# Altium PCB ESP32_board_PCB.PcbDoc (part 2 of 2)
Units mm, origin at the board's own origin, x right, y up, seen from the top; angles counter-clockwise.
Board outline 82 x 84 mm, 4 copper layers (Top Layer, Layer 1, Layer 2, Bottom Layer), stack 1.586 mm thick; 126 components, 96 nets, 418 pads, 291 vias.
Unrouted connection lines stored in the file: 1.
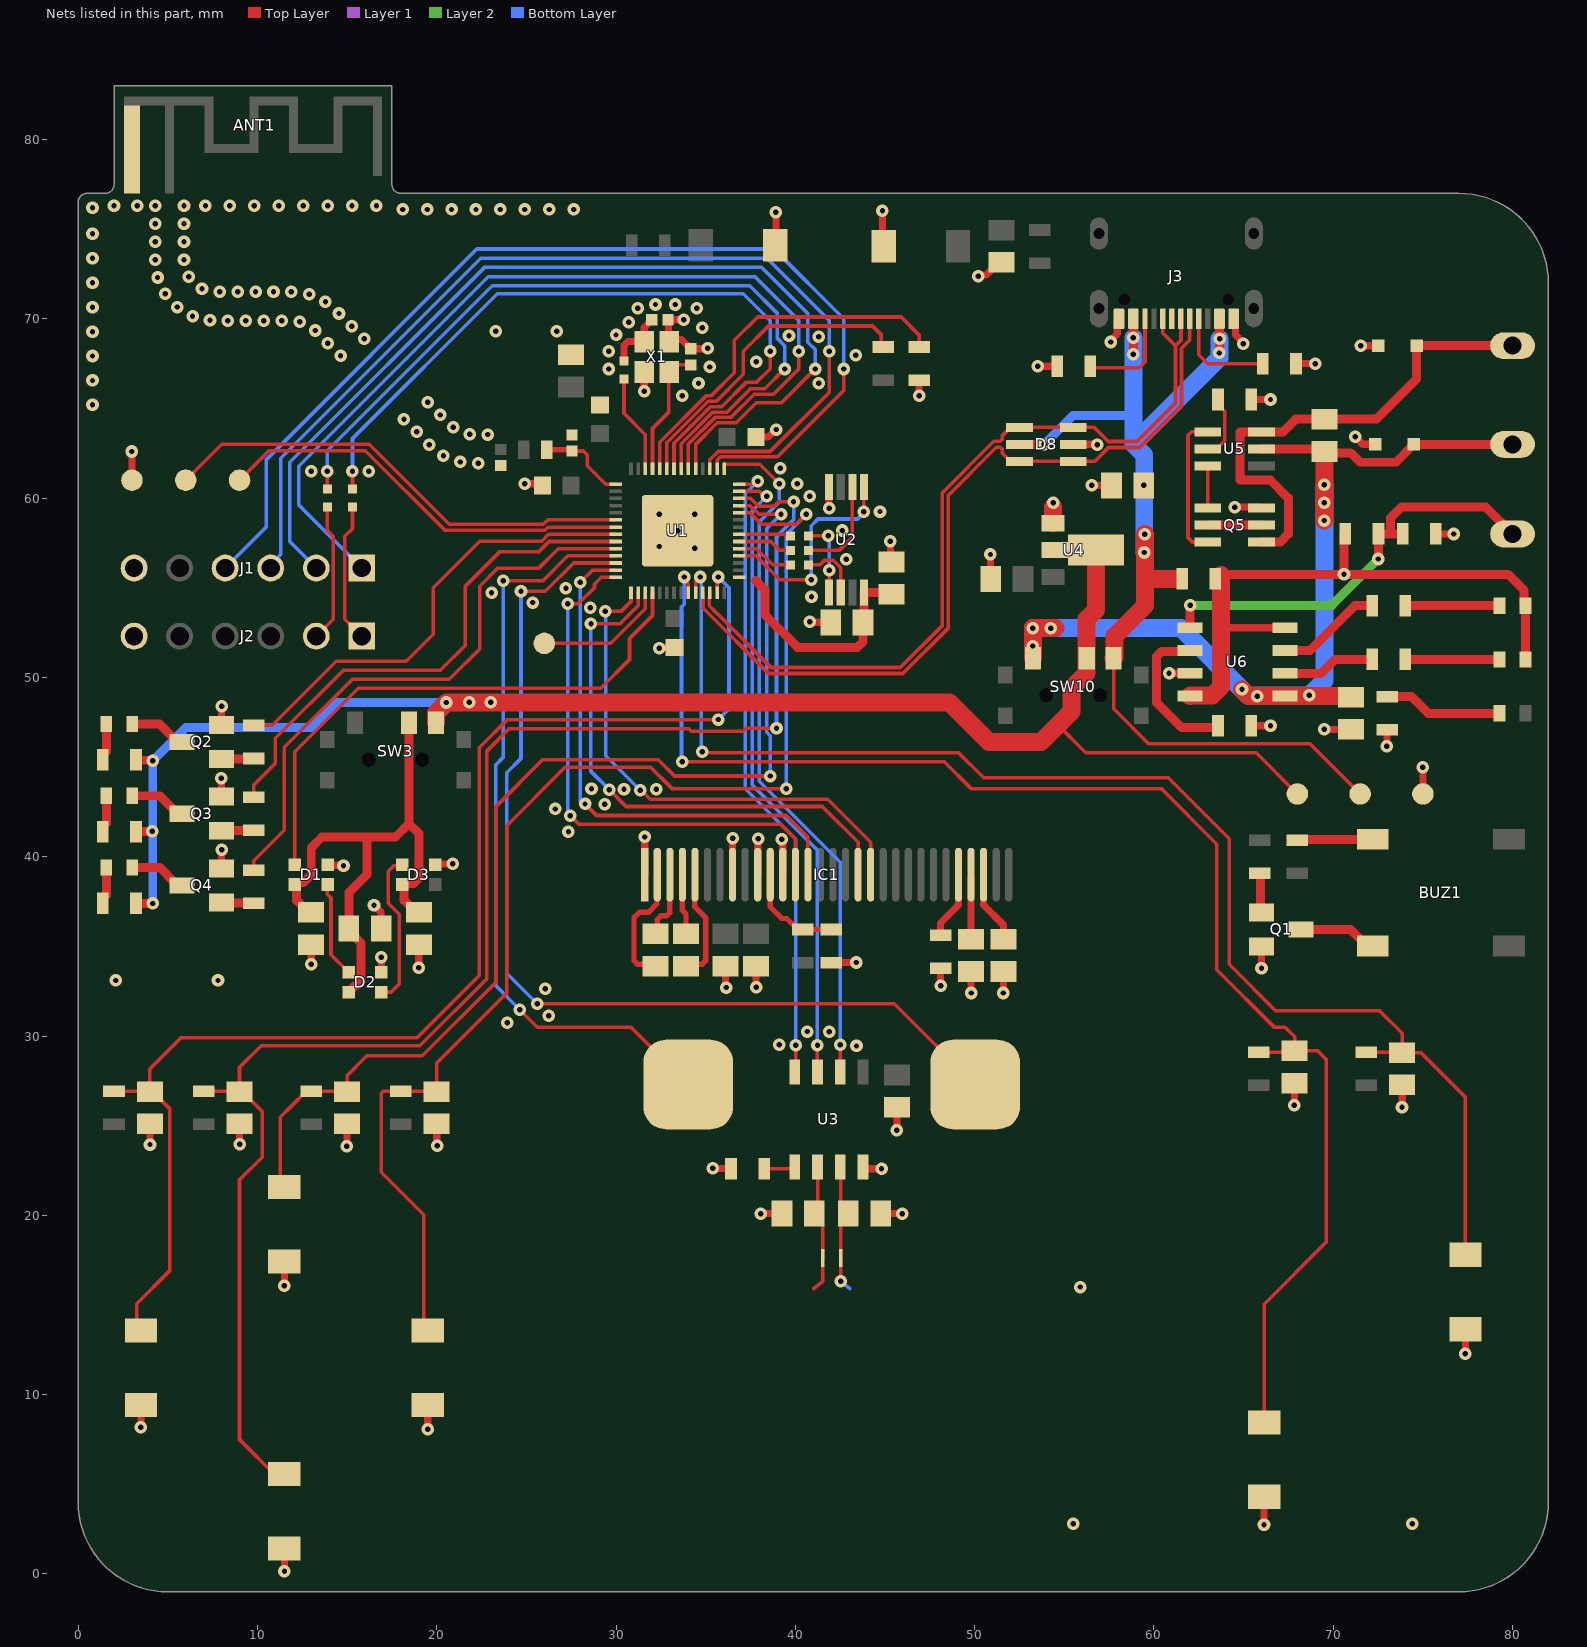
[diagram p4: the nets of this part, all layers, seen from the top]

## Via types
v1: diameter 0.7, hole 0.3, Top Layer to Bottom Layer, tented both sides, 262 vias
v2: diameter 0.7, hole 0.3, Top Layer to Bottom Layer, 29 vias

## Nets (pads, with @x,y where several pads share a name; then routed paths per layer and width w, separated by ;. In a path a pad name is that pad's centre, name@x,y a point inside that pad or via, vN(x,y) a via of type N, cw(c..) or ccw(c..) an arc to the next point about the centre after c; other vN are vias at no path point) (continued)
GND: ANT1.2 C1.1 C2.1 C3.1 C4.1 C5.1 C6.1 C7.2 C8.1 C9.1 C10.1 C11.1 C12.1 C13.1 C14.2 C15.2 C16.2 C17.1 C18.1 C19.2 C20.2 C21.2 C22.2 C23.1 C24.1 C27.1 C28.1 C29.1 C30.1 C31.1 C32.1 C33.1 D1.2 D2.2 D3.2 D8.2 D11.2 D12.2 IC1.1 IC1.8 IC1.10 IC1.12 J1.6 J2.6 J3.A1B12 J3.B1A12 Q1.2 Q2.2 Q3.2 Q4.2 Q5.3 R10.2 R16.1 R27.2 R28.1 R29.1 R30.2 R31.2 R36.1 R37.1 R38.1 SW1.1 SW2.1 SW4.1 SW5.1 SW6.1 SW7.1 SW8.1 SW9.1 TP4.1 TP5.1 U1.57 U2.4 U3.4 U4.1 U6.3 X1.2 X1.4 | length 90.7
  Top Layer w0.4: TP5.1@3,61 v1(3,62.6) ; v1(3.495,8.176) 3.5,8.182 SW8.1@3.5,9.425 ; C21.2@4,25.1 4,23.814 4.007,23.807 v1(4.007,23.947) ; v1(7.982,44.374) 8,44.355 Q3.2@8,43.35 ; Q4.2@8,39.35 8,40.376 v1(8.013,40.388) ; Q2.2@8,47.35 8,48.378 v1(8.019,48.397) ; C20.2@9,25.1 9,24.019 9.013,24.006 v1(9.013,23.954) ; SW7.1@11.5,1.425 11.5,0.148 v1(11.507,0.141) ; v1(11.501,16.073) SW5.1@11.5,17.425 ; v1(13,34) C11.1@13,35.1 ; D1.2@13.915,39.55 13.94,39.525 14.775,39.525 v1(14.8,39.5) ; v1(14.975,23.846) 15,23.87 C15.2@15,25.1 ; v1(16.5,37.3) 16.9,36.9 C12.1@16.9,36 ; v1(16.9,34.4) 16.915,34.385 D2.2@16.915,33.55 ; v1(19,33.8) C13.1@19,35.1 ; SW9.1@19.5,9.425 19.5,8.077 v1(19.504,8.074) ; D3.2@19.915,39.55 19.965,39.6 v1(20.9,39.6) ; C22.2@20,25.1 20,23.904 v1(20.018,23.886) ; v1(24.9,60.8) 25.8,60.8 C2.1@25.9,60.7 ; C10.1@27.54,63.542 C10.1@27.552,63.529 ; C4.1@29.098,65.202 C4.1@29.1,65.2 ; v1(31.569,65.956) X1.4@31.569,67.034 ; IC1.1@31.6,39 31.6,41.098 v1(31.605,41.103) ; v1(32.409,51.628) 32.456,51.675 C3.1@33.25,51.675 ; v1(33.769,69.949) C8.1@32.894,69.949 32.931,69.911 32.931,68.771 X1.2@32.969,68.734 33.084,68.849 33.654,68.849 C7.2@34.169,68.334 v1@35.096,68.334 ; v1(35.39,22.62) 36.39,22.62 R16.1@36.415,22.595 ; C27.1@36.1,33.9 36.1,32.748 v2(36.144,32.703) ; IC1.8@36.5,39 36.5,41.028 v1(36.501,41.029) ; C28.1@37.8,33.9 37.8,32.728 v2(37.816,32.712) ; C5.1@37.8,63.4 38.475,63.4 38.9,63.825 v1(38.925,63.825) ; IC1.10@37.9,39 37.9,40.968 v1(37.933,41.001) ; v1(38.073,20.097) 38.076,20.093 C19.2@39.258,20.093 ; SW1.1@38.875,74.1 38.912,74.8 v1(38.912,75.933) ; v1(39.25,40.972) 39.3,40.922 IC1.12@39.3,39 ; v1(40.8,53.1) 40.825,53.075 C17.1@41.975,53.075 ; v1@41.884,59.582 U2.4@41.884,60.632 ; R27.2@42.049,34.22 42.174,34.094 43.394,34.094 v1(43.4,34.1) ; U3.4@43.799,22.594 43.8,22.593 v1(44.808,22.593) ; C23.1@44.758,20.093 v1(45.958,20.093) ; v1(44.859,76.029) 44.859,74.75 SW2.1@44.925,74.05 ; v1(45.3,57.6) 45.3,56.498 C18.1@45.362,56.436 ; v1(45.654,24.745) 45.671,24.763 C24.1@45.671,26.024 ; v1(46.9,65.7) R10.2@46.9,66.575 ; v1(48.1,32.8) R28.1@48.1,33.775 ; v1(49.8,32.4) 49.8,33.4 49.9,33.5 C29.1@49.8,33.6 ; v1(50.198,72.378) 50.255,72.435 50.635,72.435 51.35,73.15 C6.1@51.5,73.15 ; v1(50.881,56.858) 50.881,55.519 C32.1@50.9,55.5 ; v1(51.6,32.4) C30.1@51.6,33.6 ; v1(53.527,67.351) R31.2@54.602,67.351 ; v1@54.375,59.51 54.378,59.513 v1(54.378,59.741) ; D8.2@55.5,63 56.816,63 v1(56.841,62.975) ; v1(56.53,60.712) C31.1@57.63,60.712 ; v1(57.583,68.707) 57.583,68.789 57.95,69.156 57.95,69.9 J3.B1A12@58.05,70 58.05,69.75 J3.B1A12@58,69.7 ; v1(60.842,50.223) 60.848,50.23 U6.3@62,50.23 ; J3.A1B12@64.45,70 64.55,69.9 64.55,69.107 64.973,68.684 v1(64.973,68.603) ; v1(64.5,59.5) 65.95,59.5 Q5.3@66,59.45 ; R38.1@65.425,47.3 v1(66.5,47.3) ; R37.1@65.425,65.5 v1(66.5,65.5) ; v1(65.998,33.78) 66,33.781 Q1.2@66,35 ; v1(66.137,2.744) 66.137,4.292 SW4.1@66.146,4.301 ; v1(67.828,26.149) 67.846,26.167 C14.2@67.846,27.376 ; R30.2@67.925,67.5 v1(69,67.5) ; v1(69.5,47.1) C33.1@71,47.1 C33.1@71.1,47 ; v1(71.236,63.414) 71.65,63 D11.2@72.35,63 ; v1@71.532,68.5 D12.2@72.5,68.5 ; v1(72.989,46.158) 73,46.169 R29.1@73,47.075 ; v1(73.834,26.037) 73.846,26.049 C16.2@73.846,27.276 ; TP4.1@75,43.5 v1(75,45) ; R36.1@75.725,58 v1(76.715,58) ; v1(77.37,12.28) v1(77.37,12.28) SW6.1@77.371,13.651
  Top Layer w1: U4.1@54.375,58.6 v1@54.375,59.51
  other v1: 55.5,2.8 74.4,2.8 55.9,16 43.41,29.445 39.112,29.518 41.887,30.243 40.661,30.25 23.941,30.744 26.242,31.12 26.061,32.638 2.1,33.1 7.8,33.1 27.347,41.399 26.614,42.664 29.368,42.919 32.246,43.757 30.445,43.773 28.631,43.796 28.558,53.884 25.351,54.175 40.9,54.5 23.056,54.725 27.206,54.975 42.846,56.597 34.4,57.2 32.4,57.3 33.434,58.182 42.612,58.194 32.4,59.1 34.4,59.1 44.723,59.252 41.884,59.432 40.8,60.1 40.1,60.8 13,61.5 16.2,61.5 39.16,61.665 22.306,61.938 21.309,62.017 20.374,62.371 19.585,62.986 22.849,63.545 21.849,63.563 18.878,63.693 20.925,63.944 18.171,64.4 20.205,64.639 19.498,65.346 33.7,65.7 34.6,66.4 41.3,66.4 29.6,67.2 35.232,67.316 37.811,67.612 14.635,67.935 43.368,67.979 29.6,68.2 35.11,68.348 71.531,68.499 13.928,68.643 15.963,68.881 41.3,69 39.647,69.046 30,69.1 23.3,69.3 26.7,69.3 13.221,69.35 34.8,69.5 15.256,69.589 30.7,69.8 12.352,69.844 8.353,69.896 9.353,69.896 10.353,69.896 11.353,69.896 7.353,69.911 6.381,70.146 14.548,70.296 31.2,70.6 34.5,70.6 5.521,70.656 32.2,70.8 33.3,70.8 13.793,70.951 12.886,71.371 4.851,71.398 7.894,71.503 8.894,71.503 9.894,71.503 10.894,71.503 11.894,71.503 6.909,71.672 4.429,72.305 6.163,72.338 4.296,73.296 5.904,73.304 4.296,74.296 5.904,74.304 4.296,75.296 5.904,75.304 4.296,76.296 5.904,76.304
  other v2: 0.8,65.2 0.8,66.563 0.8,67.925 0.8,69.287 0.8,70.65 0.8,72.012 0.8,73.375 0.8,74.737 18.1,76.1 19.463,76.1 20.825,76.1 22.187,76.1 23.55,76.1 24.912,76.1 26.275,76.1 27.637,76.1 0.8,76.2 2,76.3 3.3,76.3 7.1,76.3 8.463,76.3 9.825,76.3 11.187,76.3 12.55,76.3 13.912,76.3 15.275,76.3 16.637,76.3
LED_B: R25.2 U1.10 | length 32.7
  Top Layer w0.2: R25.2@9.8,39.25 9.8,39.783 11.5,41.483 11.5,46.1 15.3,49.9 20.7,49.9 22.39,51.59 22.39,55.09 23.4,56.1 25.7,56.1 26.782,57.182 U1.10@29.984,57.182
LED_G: R24.2 U1.9 | length 29.2
  Top Layer w0.2: R24.2@9.8,43.325 9.8,44 11,45.2 11,46.6 14.8,50.4 20.2,50.4 21.6,51.8 21.6,55.1 23.5,57 25.675,57 26.257,57.582 U1.9@29.984,57.582
LED_R: R23.2 U1.8 | length 26.1
  Top Layer w0.2: R23.2@9.8,47.325 10.825,47.325 14.4,50.9 18.3,50.9 19.8,52.4 19.8,55 22.4,57.6 25.851,57.6 26.233,57.982 U1.8@29.984,57.982
MTCK: J1.4 U1.44 | length 58.8
  Top Layer w0.2: U1.44@35.634,61.632 35.634,62.109 35.824,62.3 39,62.3 42.7,66 v1(42.7,67.2)
  Bottom Layer w0.2: J1.4@8.2,56.1 10.5,58.4 10.5,62.152 22.24,73.892 38.808,73.892 42.7,70 v1(42.7,67.2)
MTDI: J1.2 U1.47 | length 54
  Top Layer w0.2: U1.47@34.434,61.632 34.434,62.992 35.642,64.2 36.7,64.2 37.826,65.326 39.226,65.326 v1(41.1,67.2)
  Bottom Layer w0.2: J1.2@13.28,56.1 11.8,57.58 11.8,62.001 22.665,72.866 38.134,72.866 40.7,70.3 40.7,68.7 41.1,68.3 v1(41.1,67.2)
MTDO: J1.3 U1.45 | length 55.7
  Top Layer w0.2: U1.45@35.234,61.632 35.234,62.134 35.7,62.6 38.589,62.6 41.9,65.911 v1(41.9,68.2)
  Bottom Layer w0.2: J1.3@10.74,56.1 10.74,56.299 11.3,56.859 11.3,62.226 22.452,73.379 38.421,73.379 41.9,69.9 v1(41.9,68.2)
MTMS: J1.1 U1.48 | length 52.4
  Top Layer w0.2: U1.48@34.034,61.632 34.034,63.016 35.518,64.5 36.4,64.5 37.7,65.8 38.778,65.8 40.2,67.222 v1(40.2,68.2)
  Bottom Layer w0.2: J1.1@15.82,56.1 12.3,59.62 12.3,61.775 22.878,72.353 37.747,72.353 40.2,69.9 v1(40.2,68.2)
NetBUZ1_1: BUZ1.1 R11.1 | length 4.3
  Top Layer w0.5: R11.1@68,40.925 68.028,40.952 72.16,40.952 BUZ1.1@72.249,41.041
NetBUZ1_2: BUZ1.2 Q1.3 | length 4.4
  Top Layer w0.5: Q1.3@68.2,35.95 70.96,35.95 71.869,35.041 BUZ1.2@72.175,35.041
NetC10_2: C10.2 L1.2 U1.1 | length 5
  Top Layer w0.2: C10.2@27.552,62.629 28.171,62.629 28.4,62.4 28.4,61.8 29.418,60.782 U1.1@29.984,60.782
  Top Layer w0.3: L1.2@26.145,62.696 27.486,62.696 C10.2@27.552,62.629
NetC25_1: C25.1 IC1.3 | length 3.8
  Top Layer w0.3: C25.1@32.2,35.7 32.3,35.8 32.3,36.5 32.5,36.7 32.824,36.7 33,36.876 IC1.3@33,39
NetC25_2: C25.2 IC1.2 | length 7
  Top Layer w0.3: C25.2@32.2,33.9 32.1,34 31.2,34 31,34.2 31,36.6 31.3,36.9 31.8,36.9 32.281,37.381 32.281,38.981 IC1.2@32.3,39
NetC26_1: C26.1 IC1.5 | length 6.3
  Top Layer w0.3: C26.1@33.9,33.9 34,34 34.8,34 35,34.2 35,36.6 34.4,37.2 IC1.5@34.4,39
NetC26_2: C26.2 IC1.4 | length 3.4
  Top Layer w0.3: IC1.4@33.7,39 33.7,37 33.9,36.8 C26.2@33.9,35.7
NetC29_2: C29.2 IC1.27 | length 3.4
  Top Layer w0.4: C29.2@49.8,35.4 IC1.27@49.8,38.8
NetC30_2: C30.2 IC1.28 | length 4.1
  Top Layer w0.4: IC1.28@50.5,39 50.5,37.3 51.6,36.2 C30.2@51.6,35.4
NetD1_1: D1.1 D2.3 | length 5.4
  Top Layer w0.2: D1.1@13.915,38.45 13.9,38.435 13.9,37.9 14.1,37.7 14.1,34.535 D2.3@15.085,33.55
NetD2_1: D2.1 D3.3 | length 8.6
  Top Layer w0.2: D2.1@16.915,32.45 17.45,32.45 17.9,32.9 17.9,36.8 17.3,37.4 17.3,39.183 17.617,39.5 18.035,39.5 D3.3@18.085,39.55
NetD4_A: D4.A R20.1 | length 1.8
  Top Layer w0.5: R20.1@1.4,45.7 1.575,45.875 D4.A@1.575,47.4
NetD4_K: D4.K Q2.3 | length 3.2
  Top Layer w0.5: D4.K@3.025,47.4 4.55,47.4 5.45,46.5 Q2.3@5.9,46.5
NetD5_A: D5.A R21.1 | length 1.8
  Top Layer w0.5: R21.1@1.4,41.7 1.575,41.875 D5.A@1.575,43.4
NetD5_K: D5.K Q3.3 | length 3.1
  Top Layer w0.5: D5.K@3.025,43.4 4.55,43.4 5.45,42.5 Q3.3@5.8,42.5
NetD6_A: D6.A R22.1 | length 1.9
  Top Layer w0.5: R22.1@1.3,37.6 1.575,37.875 D6.A@1.575,39.4
NetD6_K: D6.K Q4.3 | length 3.2
  Top Layer w0.5: D6.K@3.025,39.4 4.55,39.4 5.45,38.5 Q4.3@5.9,38.5
NetD7_K: D7.K R29.2 | length 6.7
  Top Layer w0.5: R29.2@73,48.925 74.375,48.925 75.3,48 D7.K@79.275,48
NetD9_A: D9.A D10.A R32.1 R33.2 U6.4 U6.8 | length 35.7
  Top Layer w0.4: 64.02,52.77 U6.8@67.3,52.77
  Top Layer w0.5: R32.1@63.75,55.712 63.5,55.712 63.425,55.637 R32.1@63.425,55.5 63.75,55.5 64,55.75 v1(70.6,55.75) ; R33.2@70.6,57.925 v1(70.6,55.75) ; D10.A@80.725,51 D9.A@80.725,54 80.65,54.075 80.65,54.85 79.75,55.75 71,55.75 v1(70.6,55.75)
  Top Layer w1: U6.4@62,48.96 62.04,49 63.25,49 63.75,49.5 63.75,52.77 63.75,55.5 R32.1@63.75,55.712
NetD9_K: D9.K R34.2 | length 5.2
  Top Layer w0.5: R34.2@74.025,54 D9.K@79.275,54
NetD10_K: D10.K R35.2 | length 5.2
  Top Layer w0.5: R35.2@74.025,51 D10.K@79.275,51
NetIC1_11: IC1.11 R26.1 R27.1 | length 5.7
  Top Layer w0.3: IC1.11@38.6,39 38.6,37.2 39.243,36.557 39.521,36.557 40.178,35.9 R26.1@40.4,35.9 ; R26.1@40.414,35.939 41.961,35.939 R27.1@42,35.9
NetIC1_13: IC1.13 U1.14 | length 30.4
  Top Layer w0.2: v1(27.3,54.1) 27.9,54.1 28.8,55 28.8,55.2 29.182,55.582 U1.14@29.984,55.582 ; v1(27.454,42.286) 27.94,41.8 39.2,41.8 40,41 IC1.13@40,39
  Bottom Layer w0.2: v1(27.3,54.1) 27.3,42.44 v1(27.454,42.286)
NetIC1_14: IC1.14 U1.13 | length 30.1
  Top Layer w0.2: v1(28,55.3) 28.682,55.982 U1.13@29.984,55.982 ; v1(28.27,42.943) 28.914,42.3 39.5,42.3 40.7,41.1 IC1.14@40.7,39
  Bottom Layer w0.2: v1(28,55.3) 28,43.1 28.114,43.1 v1(28.27,42.943)
NetIC1_18: IC1.18 U1.16 | length 30.4
  Top Layer w0.2: v1(28.6,53) 30.222,53 31.234,54.012 U1.16@31.234,54.732 ; v1(29.613,43.745) 30.557,42.8 41.5,42.8 43.5,40.8 IC1.18@43.5,39
  Bottom Layer w0.2: v1(28.6,53) 28.6,44.757 v1(29.613,43.745)
NetIC1_19: IC1.19 U1.15 | length 28.8
  Top Layer w0.2: v1(29.4,53.7) 30.3,53.7 30.834,54.234 U1.15@30.834,54.732 ; v1(31.358,43.703) 31.412,43.703 31.915,43.2 41.8,43.2 44.2,40.8 IC1.19@44.2,39
  Bottom Layer w0.2: v1(29.4,53.7) 29.421,53.679 29.421,45.64 v1(31.358,43.703)
NetIC1_26: IC1.26 R28.2 | length 3.8
  Top Layer w0.4: R28.2@48.1,35.625 48.1,36.3 49.1,37.3 IC1.26@49.1,39
NetJ3_A5: J3.A5 R30.1 | length 5.8
  Top Layer w0.2: J3.A5@62.5,70 62.5,68 63,67.5 R30.1@66.075,67.5
NetJ3_B5: J3.B5 R31.1 | length 5.7
  Top Layer w0.2: R31.1@56.425,67.5 56.653,67.272 59.175,67.272 59.5,67.598 J3.B5@59.5,70
NetJ5_1: J5.1 R33.1 R36.2 U6.1 | length 24.1
  Top Layer w0.5: U6.1@62,52.77 62.012,52.782 62.012,54.011 v1(62.025,54.023) ; v1(72.504,56.605) 72.514,56.615 72.514,57.989 R33.1@72.525,58 73.2,58 ; R36.2@73.875,58 73.2,58 ; J5.1@80,58 78.5,59.5 73.8,59.5 73.2,58.9 73.2,58
  Layer 2 w0.5: v1(62.025,54.023) 69.922,54.023 v1(72.504,56.605)
NetQ1_1: Q1.1 R12.2 | length 2.1
  Top Layer w0.5: Q1.1@65.9,37 65.95,37.05 65.95,39.025 R12.2@65.9,39.075
NetQ2_1: Q2.1 R23.1 | length 1.7
  Top Layer w0.5: Q2.1@8.1,45.5 8.137,45.462 9.787,45.462 R23.1@9.8,45.475
NetQ3_1: Q3.1 R24.1 | length 1.7
  Top Layer w0.5: Q3.1@8.1,41.4 8.163,41.463 9.787,41.463 R24.1@9.8,41.475
NetQ4_1: Q4.1 R25.1 | length 1.7
  Top Layer w0.5: Q4.1@8.1,37.4 8.125,37.425 9.775,37.425 R25.1@9.8,37.4
NetQ5_2: Q5.2 Q5.5 | length 3
  Top Layer w0.5: Q5.5@63,58.5 Q5.2@66,58.5
NetQ5_4: Q5.4 U5.3 | length 2.3
  Top Layer w0.2: Q5.4@63,59.45 U5.3@63,61.8
NetQ5_6: Q5.6 U5.1 | length 8.1
  Top Layer w0.2: Q5.6@63,57.55 62.15,57.55 61.9,57.8 61.9,63.5 62.1,63.7 U5.1@63,63.7
NetR3_1: R3.1 U1.54 | length 5.5
  Top Layer w0.2: R3.1@30.444,66.635 30.444,64.731 31.634,63.541 U1.54@31.634,61.632
NetR4_1: R4.1 U1.50 | length 41.3
  Top Layer w0.2: R4.1@15.3,60.5 v1(15.3,61.5) ; U1.50@33.234,61.632 33.234,63.064 35.269,65.1 35.9,65.1 37.273,66.473 37.851,66.473 38.6,67.222 v1(38.6,68.2)
  Bottom Layer w0.2: v1(15.3,61.5) 15.3,63.324 23.376,71.4 37.1,71.4 38.6,69.9 v1(38.6,68.2)
NetR5_1: R5.1 U1.49 | length 43.9
  Top Layer w0.2: R5.1@13.9,60.5 v1(13.9,61.5) ; U1.49@33.634,61.632 33.634,63.04 35.394,64.8 36.2,64.8 37.5,66.1 38.3,66.1 v1(39.4,67.2)
  Bottom Layer w0.2: v1(13.9,61.5) 13.9,62.649 23.09,71.839 37.461,71.839 39,70.3 39,68.9 39.4,68.5 v1(39.4,67.2)
NetR6_1: R6.1 U1.35 | length 2.9
  Top Layer w0.2: U1.35@36.884,57.982 39.647,57.982 R6.1@39.734,57.896
NetR7_1: R7.1 U1.34 | length 3.1
  Top Layer w0.2: U1.34@36.884,57.582 38.634,57.582 39.134,57.082 R7.1@39.734,57.082
NetR8_1: R8.1 U1.33 | length 3.2
  Top Layer w0.2: U1.33@36.884,57.182 37.834,57.182 38.734,56.282 R8.1@39.734,56.282
NetR9_1: R9.1 U1.51 | length 17.8
  Top Layer w0.2: U1.51@32.834,61.632 32.834,63.089 35.145,65.4 35.6,65.4 37.1,66.9 37.1,68.2 38.5,69.6 44.3,69.6 44.8,69.1 44.8,68.525 R9.1@44.9,68.425
NetR10_1: R10.1 U1.52 | length 21
  Top Layer w0.2: U1.52@32.434,61.632 32.434,63.113 35.021,65.7 35.3,65.7 36.6,67 36.6,68.8 37.9,70.1 45.9,70.1 46.9,69.1 R10.1@46.9,68.425
NetR16_2: R16.2 U3.1 | length 1.5
  Top Layer w0.2: R16.2@38.508,22.593 39.988,22.593 U3.1@39.989,22.594
NetR34_1: R34.1 U6.7 | length 5.9
  Top Layer w0.5: U6.7@67.3,51.5 68.7,51.5 71.2,54 R34.1@72.175,54
NetR35_1: R35.1 U6.6 | length 5.2
  Top Layer w0.5: U6.6@67.3,50.23 69.33,50.23 70.1,51 R35.1@72.175,51
NetR37_2: R37.2 U5.2 | length 3.6
  Top Layer w0.2: U5.2@63,62.75 63.5,62.75 63.95,63.2 63.95,64.85 63.575,65.225 R37.2@63.575,65.5
NetR38_2: R38.2 U6.2 | length 8.6
  Top Layer w0.5: U6.2@62,51.5 61.95,51.45 60.435,51.45 60.142,51.157 60.142,48.608 61.55,47.2 R38.2@63.579,47.2
NetTP1_1: TP1.1 U1.6 | length 26.8
  Top Layer w0.2: TP1.1@6,61 8.009,63.009 16.236,63.009 20.705,58.54 25.942,58.54 26.184,58.782 U1.6@29.984,58.782
NetTP2_1: TP2.1 U1.7 | length 23.6
  Top Layer w0.2: TP2.1@9,61 10.649,62.649 16.009,62.649 20.458,58.2 26.026,58.2 26.209,58.382 U1.7@29.984,58.382
NetTP7_1: TP7.1 U1.17 | length 7.3
  Top Layer w0.2: TP7.1@26,51.9 29.7,51.9 31.634,53.834 U1.17@31.634,54.732
NFC_AC0: ANT2.1 C19.1 U3.2 | length 5.3
  Top Layer w0.2: U3.2@41.259,22.594 41.259,20.295 C19.1@41.058,20.093 C19.1@41.299,19.852 ; C19.1@41.364,19.917 41.364,19.637 41.538,19.463 ANT2.1@41.538,17.618
NFC_AC1: ANT2.2 C23.2 U3.3 | length 5.3
  Top Layer w0.2: U3.3@42.529,22.594 42.529,20.522 C23.2@42.958,20.093 C23.2@42.716,19.851 ; ANT2.2@42.538,17.618 42.538,19.48 C23.2@42.812,19.754
  other v1: 42.538,16.318
NFC_GPO: U1.43 U3.6 | length 39
  Top Layer w0.2: U1.43@36.034,61.632 36.034,61.882 38.018,61.882 v1(39.1,60.8) ; U3.6@42.5,27.894 42.5,29.522 v1(42.502,29.524)
  Bottom Layer w0.2: v1(39.1,60.8) 39.1,59.779 37.986,58.665 37.986,44.214 42.502,39.698 v1(42.502,29.524)
NFC_SCK: U1.41 U3.7 | length 35.7
  Top Layer w0.2: U1.41@36.884,60.382 37.982,60.382 38.265,60.1 v1(38.4,60.1) ; U3.7@41.23,27.894 41.23,28.354 41.233,28.357 v1(41.233,29.478)
  Bottom Layer w0.2: v1(38.4,60.1) 37.6,59.3 37.6,44 41.233,40.367 v1(41.233,29.478)
NFC_SDA: U1.42 U3.8 | length 35.2
  Top Layer w0.2: U1.42@36.884,60.782 37.732,60.782 v1(37.9,60.95) ; U3.8@40.029,28.312 v1(40.029,29.491)
  Bottom Layer w0.2: v1(37.9,60.95) 37.201,60.251 37.201,43.799 40.029,40.971 v1(40.029,29.491)
PAD1: TP3.1 U1.11 | length 42.7
  Top Layer w0.2: v1(23.7,55.4) 25.928,55.4 27.31,56.782 U1.11@29.984,56.782 ; v1@24.627,31.433 v1(24.627,31.471) 25.613,30.486 30.838,30.486 TP3.1@34.029,27.294 TP3.1@34.029,27.332
  Bottom Layer w0.2: v1(23.7,55.4) 23.7,45.532 23.3,45.132 23.3,32.799 v1(24.627,31.471)
PAD2: TP6.1 U1.12 | length 56.3
  Top Layer w0.2: v1(24.7,54.8) 26.05,54.8 27.632,56.382 U1.12@29.984,56.382 ; v1(25.6,31.8) 45.523,31.8 TP6.1@50.029,27.294
  Bottom Layer w0.2: v1(24.7,54.8) 24.7,45.482 23.9,44.682 23.9,33.5 v1(25.6,31.8)
RGB_D: D1.3 U1.18 | length 31.4
  Top Layer w0.2: D1.3@12.077,39.493 12.077,45.86 15.617,49.4 29.15,49.4 30.75,51 30.75,52.167 32.034,53.451 U1.18@32.034,54.732
SPCLK: R8.2 U2.6 | length 3.5
  Top Layer w0.2: R8.2@40.734,56.282 41.373,56.282 41.623,56.532 42.112,56.532 42.534,56.11 U2.6@42.534,54.732
SPI_MISO: R7.2 U2.2 | length 5.5
  Top Layer w0.2: R7.2@40.734,57.082 42.44,57.082 43.169,57.812 U2.2@43.169,60.559 ; U2.2@43.184,60.632 U2.2@43.203,60.613
SPI_MOSI: R6.2 U2.5 | length 4.3
  Top Layer w0.2: R6.2@40.734,57.896 v1(41.834,57.896) ; U2.5@41.884,54.732 v1(41.884,55.982)
  Bottom Layer w0.2: v1(41.834,57.896) 41.884,57.846 v1(41.884,55.982)
SPICS0: U1.32 U2.1 | length 12.2
  Top Layer w0.2: U1.32@36.884,56.782 37.809,56.782 39.139,55.453 v1(40.886,55.453) ; v1(43.819,59.248) 43.826,59.256 43.826,60.625 U2.1@43.834,60.632
  Bottom Layer w0.2: v1(40.886,55.453) 40.886,58.461 41.259,58.834 43.466,58.834 43.819,59.187 v1(43.819,59.248)
SWA: C16.1 R15.1 SW6.2 U1.24 | length 76.8
  Top Layer w0.2: U1.24@34.434,54.732 34.434,55.334 v1(34.7,55.6) ; v1(34.8,45.85) 34.85,45.8 49.1,45.8 50.5,44.4 60.8,44.4 64.2,41 64.2,34 66.8,31.4 72.6,31.4 73.846,30.154 C16.1@73.846,29.101 ; R15.1@71.846,29.101 C16.1@73.846,29.101 ; SW6.2@77.371,17.801 77.371,26.581 74.876,29.076 C16.1@73.846,29.076 C16.1@73.846,29.101
  Bottom Layer w0.2: v1(34.7,55.6) 34.75,55.55 34.75,45.9 v1(34.8,45.85)
SWB: C14.1 R13.1 SW4.2 U1.23 | length 82.4
  Top Layer w0.2: v1(33.7,45.3) 48.3,45.3 49.8,43.8 60.4,43.8 63.5,40.7 63.5,33.7 66.7,30.5 67.3,30.5 67.846,29.954 C14.1@67.846,29.176 ; v1(33.8,55.6) 33.8,55.465 34.034,55.231 U1.23@34.034,54.732 ; R13.1@65.846,29.101 67.771,29.101 C14.1@67.846,29.176 ; SW4.2@66.146,8.451 66.146,15.046 69.6,18.5 69.6,28.7 69.124,29.176 C14.1@67.846,29.176
  Bottom Layer w0.2: v1(33.7,45.3) 33.65,45.35 33.65,53.928 33.8,54.078 v1(33.8,55.6)
SWD: C20.1 R17.1 SW7.2 U1.40 | length 88.7
  Top Layer w0.2: R17.1@7,26.925 8.975,26.925 C20.1@9,26.9 ; SW7.2@11.271,5.451 11.046,5.451 8.998,7.5 8.998,21.981 10.26,23.244 10.26,25.79 9.15,26.9 C20.1@9,26.9 ; U1.40@36.884,59.982 37.518,59.982 37.95,59.55 38.806,59.55 39.056,59.8 v1(39.9,59.8) ; v1(38.95,47.169) 37.257,47.169 37.088,47 34.201,47 34.055,47.146 24.046,47.146 22.8,45.9 22.8,33.2 19.06,29.46 10.208,29.46 9,28.253 C20.1@9,26.9
  Bottom Layer w0.2: v1(38.95,47.169) 38.95,49.782 38.95,57.85 39.9,58.8 v1(39.9,59.8)
SWL: C21.1 R18.1 SW8.2 U1.27 | length 74.6
  Top Layer w0.2: R18.1@2,26.925 3.975,26.925 C21.1@4,26.9 ; SW8.2@3.271,13.451 3.271,15.07 5.12,16.919 5.12,25.93 4.15,26.9 C21.1@4,26.9 ; U1.27@35.634,54.732 35.634,55.534 v1(35.7,55.6) ; v1(35.7,47.65) 23.95,47.65 22.376,46.076 22.376,33.376 18.896,29.896 5.739,29.896 4,28.157 C21.1@4,26.9
  Bottom Layer w0.2: v1(35.7,47.65) 36.3,48.25 36.3,55 v1(35.7,55.6)
SWR: C22.1 R19.1 SW9.2 U1.38 | length 71.4
  Top Layer w0.2: SW9.2@19.271,13.451 19.271,20.029 16.9,22.4 16.9,26.8 17.025,26.925 R19.1@18,26.925 19.975,26.925 C22.1@20,26.9 20,28.5 23.9,32.4 23.9,41.734 27.147,44.981 31.938,44.981 33.119,43.8 v1(39.5,43.8) ; U1.38@36.884,59.182 37.469,59.182 38.098,58.553 40.053,58.553 v1(40.6,59.1)
  Bottom Layer w0.2: v1(39.5,43.8) 39.5,57.976 40.489,58.965 40.6,58.965 v1(40.6,59.1)
SWU: C15.1 R14.1 SW5.2 U1.39 | length 63.8
  Top Layer w0.2: SW5.2@11.271,21.451 11.271,25.471 11.9,26.1 12.725,26.925 R14.1@13,26.925 14.975,26.925 C15.1@15,26.9 15,27.8 16.1,28.9 19.2,28.9 23.3,33 23.3,42.8 25.9,45.4 32.361,45.4 33.261,44.5 v1(38.6,44.5) ; U1.39@36.884,59.582 37.493,59.582 37.972,59.103 v1(39.202,59.103)
  Bottom Layer w0.2: v1(38.6,44.5) 38.6,46.741 38.4,46.941 38.4,58.301 v1(39.202,59.103)
U0RXD: J2.1 R4.2 | length 7.8
  Top Layer w0.2: R4.2@15.3,59.5 15.3,58.3 14.87,57.87 14.87,53.25 J2.1@15.82,52.3
U0TXD: J2.2 R5.2 | length 7.7
  Top Layer w0.2: J2.2@13.28,52.3 14.23,53.25 14.23,57.87 13.9,58.2 R5.2@13.9,59.5
USB_N: D8.1 D8.6 J3.A7 J3.B7 U1.25 | length 45.4
  Top Layer w0.208: U1.25@34.834,54.732 34.834,54.49 34.866,54.457 34.866,53.86 38.507,50.22 45.993,50.22 48.535,52.761 48.535,60.161 51.206,62.833 51.425,62.833 51.546,62.711 51.546,62.504 52,62.05 D8.6@52.5,62.05 D8.1@55.5,62.05 56.699,62.05 57.467,62.818 59.191,62.818 61.535,65.161 61.535,68.359 62,68.825 J3.B7@62,70
USB_P: D8.3 D8.4 J3.A6 J3.B6 U1.26 | length 45.4
  Top Layer w0.208: U1.26@35.234,54.732 35.234,54.49 35.201,54.457 35.201,53.999 35.6,53.6 35.706,53.494 38.646,50.554 45.854,50.554 48.2,52.9 48.2,60.3 51.067,63.167 51.425,63.167 51.546,63.289 51.546,63.496 52,63.95 D8.4@52.5,63.95 D8.3@55.5,63.95 56.649,63.95 57.446,63.153 59.053,63.153 61.2,65.3 61.2,68.498 ; J3.B6@60.496,69.582 60.496,69.202 61.2,68.498 ; J3.A6@61.484,69.78 61.508,69.756 61.508,68.806 61.2,68.498
VBAT: C33.2 C34.2 D11.1 J4.1 SW10.1 U5.5 U6.5 | length 57.8
  Top Layer w0.5: U5.5@66,62.75 69.35,62.75 C34.2@69.5,62.6 69.575,62.525 70.975,62.525 71.5,62 73.5,62 D11.1@74.5,63 J4.1@80,63
  Top Layer w1: SW10.1@53.25,51.075 v1(53.25,51.75) v1(53.25,52.75) v1(54.25,52.75) v1@54.5,52.75 ; v1(64.91,49.333) 65.283,48.96 U6.5@67.3,48.96 70.94,48.96 C33.2@71,48.9 ; v1(69.5,58.75) v1(69.5,59.75) v1(69.5,60.75) C34.2@69.5,62.6
  Bottom Layer w1: v1(53.25,51.75) v1(53.25,52.75) v1(54.25,52.75) 61.5,52.75 65.25,49 v1(68.664,49) 69.5,49.836 v1(69.5,58.75) v1(69.5,59.75) v1(69.5,60.75)
  other v1: 65.765,48.96
VBAT-: C34.1 D12.1 J6.1 Q5.1 U5.6 | length 28
  Top Layer w0.5: Q5.1@66,57.55 67.05,57.55 67.5,58 67.5,60 66.5,61 64.793,61 64.793,63.7 U5.6@66,63.7 67.2,63.7 67.9,64.4 C34.1@69.5,64.4 72.4,64.4 74.65,66.65 D12.1@74.65,68.5 79.5,68.5 J6.1@80,68
VDD_LDO: R20.2 R21.2 R22.2 SW3.3 SW10.2 TP9.1 U4.3 | length 93.3
  Top Layer w0.2: 54.65,47.35 56.2,45.8 65.7,45.8 TP9.1@68,43.5
  Top Layer w0.5: R22.2@3.225,37.4 4.147,37.4 v1(4.153,37.394) ; R21.2@3.225,41.4 3.232,41.407 4.13,41.407 v1(4.137,41.414) ; R20.2@3.225,45.4 3.245,45.38 4.15,45.38 v1(4.17,45.36)
  Top Layer w1: SW3.3@19.95,47.475 19.95,48.014 v1(20.536,48.6) 48.6,48.6 50.8,46.4 53.7,46.4 54.65,47.35 55.4,48.1 55.4,49.4 56.25,50.25 SW10.2@56.25,51.075 56.25,53.25 56.762,53.762 U4.3@56.762,57.1
  Bottom Layer w0.5: v1(4.153,37.394) 4.161,37.402 4.161,45.351 v1(4.17,45.36) 6.01,47.2 13,47.2 14.4,48.6 v1(20.536,48.6) 20.54,48.604 21.804,48.604 21.808,48.6 v1@23,48.6
  other v1: 21.808,48.608 23.008,48.608
VDD_RGB: C11.2 C12.2 C13.2 D1.4 D2.4 D3.4 SW3.2 | length 32.3
  Top Layer w0.5: C11.2@13,36.9 12.85,36.9 12.185,37.565 12.185,38.35 D1.4@12.085,38.45 12.185,38.55 12.55,38.55 13,39 13,40.5 13.6,41.1 16.1,41.1 ; D2.4@15.085,32.45 15.485,32.85 15.58,32.85 15.785,33.055 15.785,35.165 15.1,35.85 C12.2@15.1,36 15.1,38 16.1,39 16.1,41.1 ; SW3.2@18.45,47.475 18.45,41.85 ; C13.2@19,36.9 18.85,36.9 18.185,37.565 18.185,38.35 D3.4@18.085,38.45 18.135,38.5 18.7,38.5 19,38.8 19,41.3 18.45,41.85 ; 16.1,41.1 17.7,41.1 18.45,41.85
VDD_SPI: C17.2 C18.2 U1.29 U2.8 | length 13
  Top Layer w0.5: 37.8,55.4 38.3,54.9 38.3,53.5 40.125,51.675 43.45,51.675 43.775,52 C17.2@43.775,53.075 ; C17.2@43.834,53.132 U2.8@43.834,54.732 45.534,54.732 C18.2@45.634,54.632
VDD_USB: C31.2 D8.5 J3.A4B9 J3.B4A9 R32.2 SW10.3 TP8.1 | length 58.9
  Top Layer w0.2: v1(53.873,62.994) v1@53.873,63 ; SW10.3@57.75,51.075 57.75,48.25 59.7,46.3 68.7,46.3 TP8.1@71.5,43.5
  Top Layer w0.5: D8.5@52.5,63 v1@53.873,63 ; J3.B4A9@58.85,70 58.851,69.999 v1(58.853,68.939) v1(58.853,68.939) 58.859,68.933 v1@58.859,68.023 ; v1@63.65,68.171 J3.A4B9@63.65,70
  Top Layer w1: SW10.3@57.75,51.075 57.8,51.125 57.8,52.3 59.5,54 59.5,55.5 ; v1@59.5,58 59.5,55.5 ; R32.2@61.375,55.5 59.5,55.5
  Layer 1 w0.2: v1(53.873,62.994) 53.9,62.994 v1@53.9,63
  Bottom Layer w0.5: v1(53.873,62.994) 55.479,64.6 58.853,64.6
  Bottom Layer w1: 58.853,63.082 58.853,64.6 v1(58.853,68.03) v1(58.853,68.939) ; v1(59.459,56.966) 59.459,62.411 58.853,63.017 63.663,67.827 v1(63.663,68.879)
  other v1: 59.493,57.977 59.43,60.712 63.644,68.096
XTAL_N: C7.1 U1.53 X1.1 | length 7.2
  Top Layer w0.2: U1.53@32.034,61.632 32.034,63.884 32.95,64.8 32.95,67.015 X1.1@32.969,67.034 33.369,67.434 C7.1@34.169,67.434
XTAL_P: C8.2 R3.2 X1.3 | length 3.5
  Top Layer w0.381: R3.2@30.444,67.635 30.444,68.51 30.667,68.734 X1.3@31.569,68.734
  Top Layer w0.4: X1.3@31.569,68.734 31.569,69.524 C8.2@31.994,69.949
pads on no net: BUZ1.3 BUZ1.4 D3.1 IC1.7 IC1.15 IC1.16 IC1.17 IC1.20 IC1.21 IC1.22 IC1.23 IC1.24 IC1.25 IC1.29 IC1.30 J2.4 J3.A8 J3.B8 J3.MH J3.SH SW3. SW3.1 SW10. U1.21 U1.22 U1.28 U1.30 U1.31 U1.36 U1.37 U2.3 U2.7 U5.4
copper on no net: | length 14.2
  Layer 1 w0.25: 70.2,73.5 70.2,74.5 ; 71.6,72.5 71.6,73.5 ; 72.9,72.502 72.9,74 ; 72.9,74.5 73.7,74.5 ; 74.3,72.5 74.3,73.2 74.8,73.7 ; 74.6,73.5 75.7,72.4
  Layer 2 w0.25: 69.8,72.501 69.8,73.501 71.1,73.501 ; 71.2,73.501 71.2,74.501 ; 71.8,74.501 72.5,74.501 72.5,74.001 ; 73.9,73.201 73.9,74.501 ; 74.4,73.701 75.2,74.501
  other v1: 42.038,11.918

## Polygon pours and split planes (outlines as drawn)
3V3 on Top Layer "3V3_L01_P035" (solid, pour order 35): 0,77 0,-1 82,-1 82,77
GND on Top Layer "GND_L01_P032" (solid, pour order 32): 0,77 0,59 20,59 30,59 37,66 37,77
VDD_SPI on Top Layer "VDD_SPI_L01_P010" (solid, pour order 10): 37.225,55.675 37.875,55.675 38.25,55.3 38.2,55.3 38.05,55.15 37.777,55.085 36.725,55.275 36.535,55.482 36.525,55.7
VDD_SPI on Top Layer "Top Layer-No Net 1" (solid, pour order 12): 36.525,55.7
USB_N on Top Layer "USB_N_L01_P028" (solid, pour order 28): 61.149,70.516 61.149,70.681 61.302,70.858 61.71,70.856 61.824,70.709 61.851,70.513 61.856,70.334 62.144,70.326 62.149,70.54 62.147,70.722 61.876,71.086 61.063,71.086 60.853,70.784 60.851,70.533 60.859,70.202 61.138,70.183
no net on Top Overlay "NONET_L-01_P-001" (solid): 78.4,48.9 80.1,48.9 80.1,48.6 78.8,48.6 78.8,47.4 80.1,47.4 80.1,47.1 78.4,47.1
no net on Top Overlay "NONET_L-01_P-001" (solid): 78.4,51.9 80.1,51.9 80.1,51.6 78.8,51.6 78.8,50.4 80.1,50.4 80.1,50.1 78.4,50.1
no net on Top Overlay "NONET_L-01_P-001" (solid): 78.4,54.9 80.1,54.9 80.1,54.6 78.8,54.6 78.8,53.4 80.1,53.4 80.1,53.1 78.4,53.1
GND on Layer 2 "GND_L03_P036" (solid, pour order 36): 0,77 81.796,77 81.796,-1 0,-1
3V3 on Layer 2 "3V3_L03_P034" (solid, pour order 34): 26.7,66.677 26.7,56.9 29.2,56.9 29.2,54.372 31.1,54.372 31.1,51.675 36.7,51.675 36.7,56.1 36.7,61.5 48.2,61.5 48.2,66.677
GND on Layer 1 "GND_L02_P033" (solid, pour order 33): 0,77 82,77 82,-1 0,-1
3V3 on Bottom Layer "3V3_L04_P037" (solid, pour order 37): 0,77 82,77 82,-1 0,-1

## Other copper
Top Layer:
  pour cut-out: 68.3,75.5 68.3,71.6 76.9,71.6 76.9,75.5
  pour cut-out: 53,19 53,-1 31,-1 31,19
Layer 1:
  pour cut-out: 68.3,75.5 68.3,71.6 76.9,71.6 76.9,75.5
  pour cut-out: 53,19 53,-1 31,-1 31,19
Layer 2:
  pour cut-out: 68.3,75.5 68.3,71.6 76.9,71.6 76.9,75.5
  pour cut-out: 53,19 53,-1 31,-1 31,19
Bottom Layer:
  pour cut-out: 53,19 53,-1 31,-1 31,19
  pour cut-out: 68.3,75.5 68.3,71.6 76.9,71.6 76.9,75.5

## Silkscreen, mask and mechanical layers (free items; w line width, h text height)
Top Overlay:
  circle w0.2: c34.132,66.607 r0.1
  lines w0.25: 28.2,52.4 28.2,52.2 28.2,51.1 29.3,51.1 29.5,51.1 ; 28.2,68.9 28.2,69.2 28.2,70.2 29.2,70.2 29.4,70.2 ; 54.1,51.1 54.3,51.1 55.4,51.1 55.4,52.2 55.4,52.4 ; 54.1,70.3 54.3,70.3 55.4,70.3 55.4,69.2 55.4,69
  text "BOOT" at 34.8,71.4 h1.52
  text "CHIP_PU" at 44.065,71.235 h1.52
  text "BAT" at 77,70 h1.52
  text "-" at 80,69.9 h2.3
  text "BAT" at 77,64.5 h1.52
  text "+" at 80,64.3 h2.3
  text "NTC" at 77,59.5 h1.52
  text "G" at 2.576,58.016 h1.5
  text "3V3" at 4.426,58.017 h1.5
  text "CK" at 7.203,58.016 h1.5
  text "DO" at 9.716,58.016 h1.5
  text "MS" at 14.879,58.016 h1.5
  text "DI" at 12.642,58 h1.5
  text "CRG" at 75.2,53.1 h1.5
  text "RDY" at 75.2,50.1 h1.5
  text "G" at 2.696,49.516 h1.5
  text "3V3" at 4.546,49.517 h1.5
  text "PU" at 9.935,49.516 h1.5
  text "TX" at 12.463,49.5 h1.5
  text "RX" at 15.026,49.5 h1.5
  text "3V3" at 75.2,47.1 h1.5
  text "LDO" at 66.682,44.516 h1.52
  text "USB" at 70.192,44.516 h1.52
  text "GND" at 73.561,44.516 h1.52
  text "PAD1" at 32.5,30.5 h1.52
  text "PAD2" at 48.471,30.206 h1.52
  text "A" at 71.998,14.5 h5
  text "B" at 60.5,5 h5
Board Outline:
  lines w0.001: 0,4 ccw(c5,4) 5,-1 77,-1 ccw(c77,4) 82,4 82,72 ccw(c77,72) 77,77 18,77 cw(c18,77.5) 17.5,77.5 17.5,83 7,83 2,83 2,77.5 cw(c1.5,77.5) 1.5,77 0.5,77 ccw(c0.5,76.5) 0,76.5 0,4
Mechanical 13:
  lines w0.2: 42,-1 42,85